# Altium PCB FMC_SDR_XFE.PcbDoc (part 4 of 4)
Units mm, origin at the board's own origin, x right, y up, seen from the top; angles counter-clockwise.
Board outline 84 x 69 mm, 8 copper layers (Top, Int1 [GND], Int2 [shielded signals], Int3 [GND], Int4 [PWR], Int5 [signals], Int6 [PWR], Bottom), stack 1.579 mm thick; 430 components, 195 nets, 1289 pads, 1371 vias.
Unrouted connection lines stored in the file: 1.
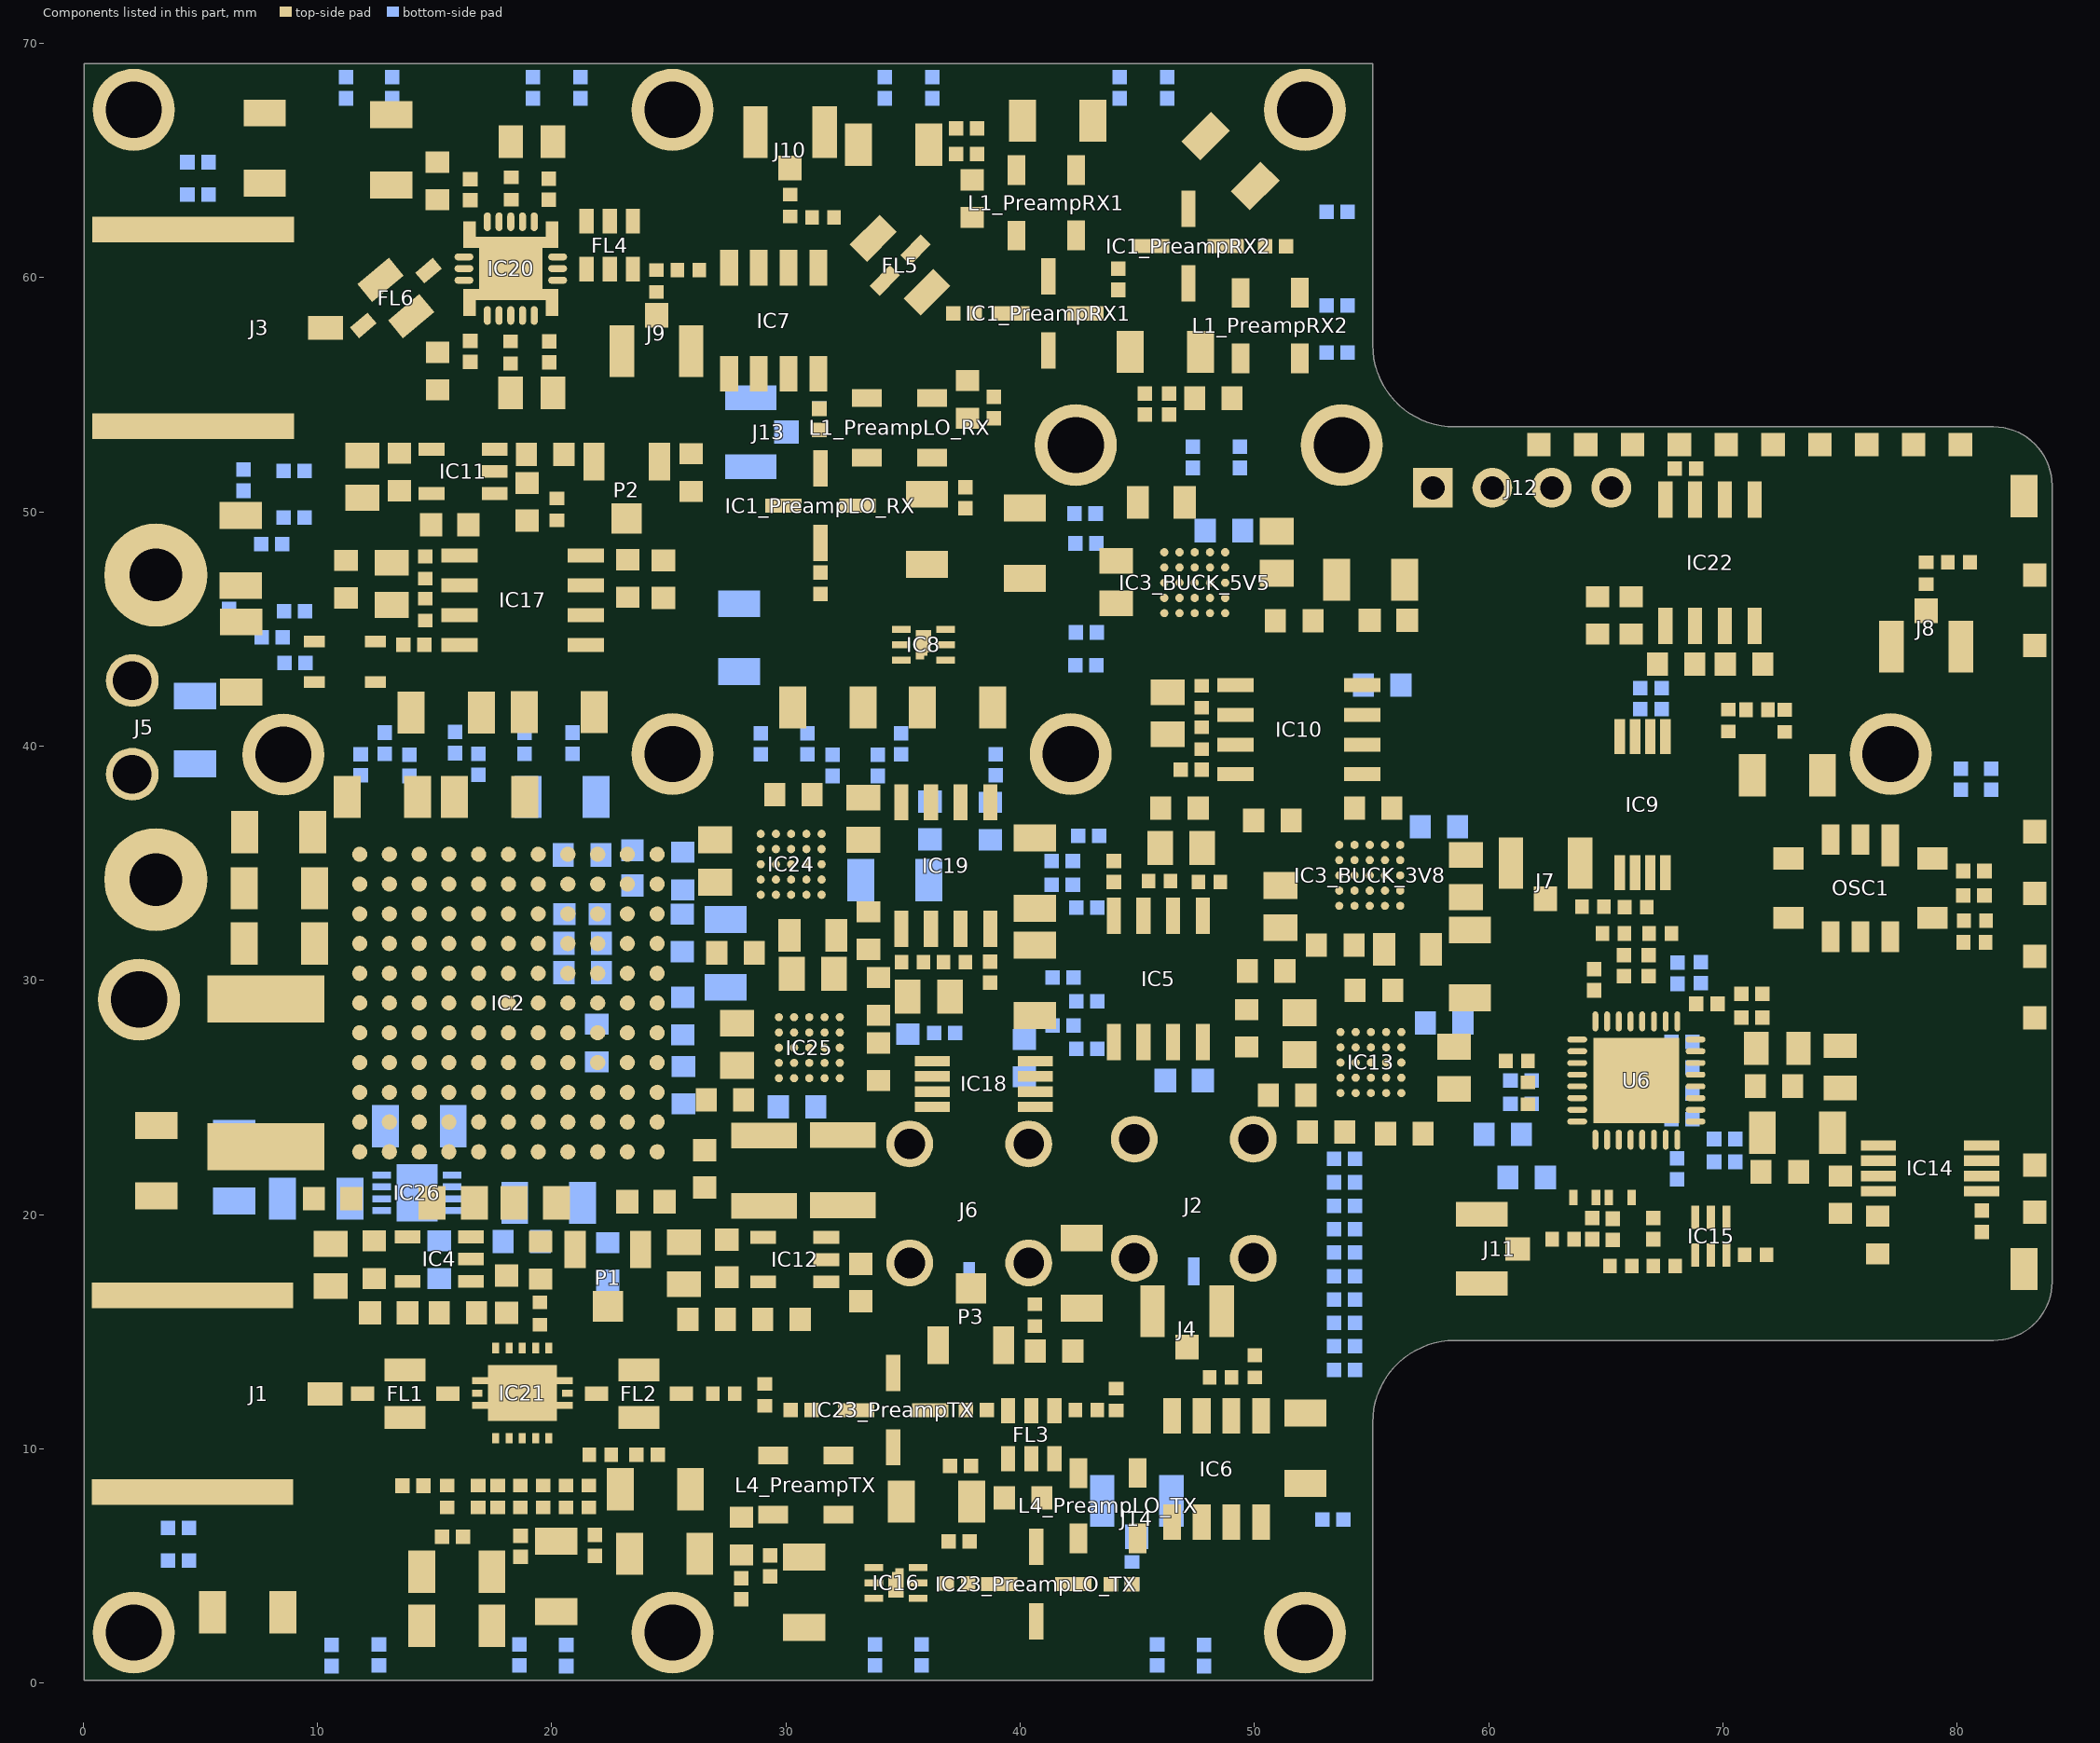
[diagram p10: the components of this part, seen from the top]

## Polygon pours and split planes (outlines as drawn) (continued)
SH on Int2 [shielded signals] "SH_L03_P1779" (solid, pour order 1779): 7.224,42.324 44.557,42.324 44.557,27.682 45.088,27.682 45.088,24.072 40.35,24.072 40.35,36.354 36.225,36.354 36.225,37.676 7.8,37.676
GND on Int2 [shielded signals] "GND_L03_P1796" (hatched 45Degree grid 0.55 track 0.35, pour order 1796): 0.05,67.2 0.05,0.125 55.05,0.125 55.05,11.1 cw(c58.562,11.113) 58.549,14.625 81.684,14.625 ccw(c81.566,17.109) 84.05,17.227 84.05,51.004 ccw(c81.556,51.133) 81.684,53.626 58.597,53.625 cw(c58.559,57.133) 55.051,57.095 55.05,69.125 0.05,69.125
PA_GND on Int2 [shielded signals] "PA_GND_L03_P1795" (hatched 90Degree grid 0.55 track 0.35, pour order 1795): 0.052,51.772 7.895,51.77 cw(c7.895,50.995) 8.67,50.995 8.67,40.293 ccw(c9.35,40.293) 9.35,39.613 41.631,39.613 cw(c41.631,38.894) 42.35,38.894 42.35,26.657 ccw(c43.932,26.657) 43.932,25.075 51.108,25.075 cw(c51.108,22.535) 53.648,22.535 53.648,0.094 0.052,0.094
SH on Int2 [shielded signals] "SH_L03_P1771" (solid, pour order 1771): 11.293,38.125 11.293,15.395 15.925,15.395 15.925,38.125
SH on Int2 [shielded signals] "SH_L03_P1778" (solid, pour order 1778): 73.05,39.725 73.05,35.78 83.8,35.78 83.8,42.3 75.579,42.3 73.075,39.796
SH on Int2 [shielded signals] "SH_L03_P1772" (solid, pour order 1772): 19.375,38.725 19.375,17.463 24.229,17.463 24.229,38.603
SH on Int2 [shielded signals] "SH_L03_P1794" (solid, pour order 1794): 0.079,51.8 8.833,51.8 8.833,17.825 0.079,17.825
SH on Int2 [shielded signals] "SH_L03_P1774" (solid, pour order 1774): 7.287,26.65 23.815,26.65 23.815,23.456 7.287,23.456
SH on Int2 [shielded signals] "SH_L03_P1792" (solid, pour order 1792): 0.1,69.125 0.1,63.275 55.077,63.275 55.077,69.126 0.05,69.126
SH on Int2 [shielded signals] "SH_L03_P1776" (solid, pour order 1776): 40.35,24.072 40.35,17.775 45.103,17.775 45.103,25.627 40.414,25.627 40.414,24.1
SH on Int2 [shielded signals] "SH_L03_P1773" (solid, pour order 1773): 7.89,33.9 7.89,30.279 23.866,30.279 23.866,33.9 7.95,33.9
no net on Bottom "balancingB" (solid, pour order 1941): 0.05,67.2 0.05,6.8 55.05,6.8 55.05,11.1 cw(c58.562,11.113) 58.549,14.625 81.684,14.625 ccw(c81.566,17.109) 84.05,17.227 84.05,51.004 ccw(c81.556,51.133) 81.684,53.626 58.597,53.625 cw(c58.559,57.133) 55.051,57.095 55.05,69.125 0.05,69.125
PA_GND on Bottom "PA_GND_L08_P1799" (solid, pour order 1799): 27.998,37.6 27.998,39.16 39.639,39.16 39.639,37.6
GND on Bottom "GND_L08_P1798" (solid, pour order 1798): 28.029,40.127 28.029,41.687 39.67,41.687 39.67,40.127
PA_GND on Bottom "PA_GND_L08_P1805" (solid, pour order 1805): 6.025,51.306 8.142,51.306 8.142,42.325 6.025,42.325
NetC50_2 on Bottom "Bottom-NetC50_2" (solid, pour order 1875): 15.35,20.525 17.25,20.525 17.475,20.75 17.475,21.575 16.925,22.125 16.575,22.125 16.375,22.325 16.375,23.002 15.35,23.002
no net on Bottom "Bottom-No Net" (solid, pour order 1873): 15.375,20.525
NetC48_2 on Bottom "Bottom-NetC48_2" (solid, pour order 1871): 13.15,20.025 12.272,20.025 12.023,19.777 10.825,19.777 10.825,21.584 11.909,21.584 12.325,22 12.325,22.925 13.15,22.925
GND on Bottom "GND_L08_P1791" (solid, pour order 1791): 5.63,68.174 5.63,65.024 22.825,65.024 22.825,68.174
PA_GND on Bottom "PA_GND_L08_P1789" (solid, pour order 1789): 28.125,1.025 28.125,4.241 49.8,4.241 49.8,1.025
GND on Bottom "GND_L08_P1790" (solid, pour order 1790): 28.275,64.999 28.275,68.215 49.775,68.215 49.775,64.999
SH on Bottom "SH_L08_P1784" (solid, pour order 1784): 0.079,52.125 0.079,51.3 8.15,51.3 8.15,39.175 41.948,39.175 41.948,20.2 42.8,20.2 42.8,21.05 42.8,40.1 9.075,40.1 9.075,52.2 0.079,52.2 0.079,51.85
GND on Bottom "GND_L08_P1803" (solid, pour order 1803): 44.359,42.275 42.799,42.275 42.799,50.172 44.359,50.172
no net on Bottom "NONET_L08_P1808" (solid, pour order 1808): 51.075,54.872 51.075,53.312 45.15,53.312 45.15,54.872
GND on Bottom "GND_L08_P1807" (solid, pour order 1807): 51.048,52.313 51.048,50.753 45.1,50.753 45.1,52.313
SH on Bottom "SH_L08_P1785" (solid, pour order 1785): 42.8,41.5 42.8,52.375 53.075,52.375 53.075,53.3 41.9,53.3 41.9,39.402 41.825,39.402
GND on Bottom "GND_L08_P1806" (solid, pour order 1806): 9.077,52.198 10.7,52.198 10.7,42.325 9.077,42.325
GND on Bottom "GND_L08_P1801" (solid, pour order 1801): 44.369,25.105 42.809,25.105 42.809,36.686 44.369,36.686
PA_GND on Bottom "PA_GND_L08_P1800" (solid, pour order 1800): 11.094,37.543 11.094,39.167 17.825,39.167 17.825,37.543
SH on Bottom "SH_L08_P1786" (solid, pour order 1786): 0.254,63.225 4.825,63.225 4.825,68.225 52.375,68.225 52.375,69.125 0.254,69.125
SH on Bottom "SH_L08_P1782" (solid, pour order 1782): 0.254,7.1 4.05,7.1 4.05,1.025 53.15,1.025 53.15,0.125 0.254,0.125
GND on Bottom "GND_L08_P1809" (solid, pour order 1809): 52.42,4.925 55.072,4.925 55.072,10.915 cw(c58.436,10.915) 58.436,14.28 81.532,14.28 ccw(c81.532,16.82) 84.072,16.82 84.072,51.39 ccw(c81.532,51.39) 81.532,53.93 58.458,53.93 cw(c58.457,57.315) 55.072,57.315 55.072,64.125 52.388,64.125 52.388,52.264 80.463,52.264 cw(c80.463,50.38) 82.347,50.38 82.347,17.905 cw(c80.622,17.905) 80.622,16.18 55.594,16.18 ccw(c55.592,13.721) 55.485,16.177 52.412,16.177
PA_GND on Bottom "PA_GND_L08_P1802" (solid, pour order 1802): 41.938,25.105 40.377,25.105 40.377,36.71 41.938,36.71
PA_GND on Bottom "PA_GND_L08_P1781" (solid, pour order 1781): 53.725,10.775 50.725,10.775 50.725,23.8 53.725,23.8
GND on Bottom "GND_L08_P1780" (solid, pour order 1780): 54.005,13.3 54.005,23.75 58.075,23.75 58.075,15.025 56.925,15.025 55.2,13.3
no net on Bottom "NONET_L08_P1810" (solid, pour order 1810): 1.255,26.6 2.878,26.6 2.878,17.894 1.255,17.894
GND on Bottom "GND_L08_P1804" (solid, pour order 1804): 41.901,42.225 40.34,42.225 40.34,50.175 41.901,50.175
GND on Bottom "GND_L08_P1797" (solid, pour order 1797): 11.129,40.077 11.129,41.7 22.77,41.7 22.77,40.077
PA_GND on Bottom "PA_GND_L08_P1788" (solid, pour order 1788): 4.975,4.2 4.975,1.05 23.1,1.05 23.1,4.2
PA_GND on Bottom "PA_GND_L08_P1787" (solid, pour order 1787): 4.225,7.05 6.05,7.05 6.05,4.95 4.225,4.95
SH on Bottom "SH_L08_P1783" (solid, pour order 1783): 0.375,17.925 1.25,17.925 1.25,28 3.025,28 3.025,28.975 0.375,28.975
GND on Int3 [GND] "GND_L04_P1756" (hatched 45Degree grid 0.6 track 0.4, pour order 1756): 0.05,66.825 0.025,0.1 55.05,0.125 55.05,11.125 cw(c58.572,11.096) 58.602,14.619 81.549,14.625 ccw(c81.549,17.125) 84.049,17.125 84.05,51.125 ccw(c81.547,51.125) 81.547,53.628 58.375,53.625 cw(c58.552,57.127) 55.05,57.305 55.05,69.126 0.05,69.126 0.05,67.15
GND on Int3 [GND] "GND_L04_P1748" (solid, pour order 1748): 70.933,21.231 52.795,21.481 52.795,14.658 79.278,14.628 81.8,17.15 81.8,24.76 83.613,26.573 83.613,32.093 80.393,32.093 77.1,28.8 77.1,21.146
PA_GND on Int3 [GND] "PA_GND_L04_P1754" (hatched 90Degree grid 0.6 track 0.4, pour order 1754): 0.05,51.75 7.895,51.75 cw(c7.895,50.975) 8.67,50.975 8.67,40.272 ccw(c9.35,40.272) 9.35,39.592 39.65,39.592 39.65,25.055 51.108,25.055 cw(c51.108,22.515) 53.648,22.515 53.648,0.125 0.05,0.125
GND on Int3 [GND] "GND_L04_P1752" (solid, pour order 1752): 48.5,45.425 81.075,45.425 81.075,49.375 72.675,49.375 72.575,49.475 58.665,49.475 cw(c58.665,52.015) 56.869,50.219 54.744,52.344 cw(c56.54,54.14) 54,54.14 54,64.225 48.5,64.225
GND on Int3 [GND] "GND_L04_P1755" (solid, pour order 1755): 73.7,18.583 73.7,45.5 34.748,45.5 34.748,39.963 65.578,39.963 cw(c65.578,37.423) 68.118,37.423 68.118,17.15 73.475,17.15 ccw(c73.475,17.275) 73.6,17.275 73.7,17.275
PA_GND on Int3 [GND] "PA_GND_L04_P1753" (solid, pour order 1753): 53.75,21.526 40.676,21.526 30.225,11.075 30.225,2.825 35.786,2.825 37.4,4.439 37.4,8.8 53.75,8.8
GND on Int3 [GND] "GND_L04_P1750" (solid, pour order 1750): 59.263,40.355 59.263,35.415 ccw(c61.803,35.415) 61.803,32.875 69.186,32.875 69.186,37.815 ccw(c66.646,37.815) 66.646,40.355
EXTERNAL_PS on Int3 [GND] "EXTERNAL_PS_L04_P1749" (solid, pour order 1749): 5.575,34.776 8,34.776 8,40.7 0.421,40.7 0.421,36.75 4.6,36.75 5.575,35.775
EXTERNAL_PS on Int3 [GND] "EXTERNAL_PS_L04_P1751" (solid, pour order 1751): 5.575,34.776 8,34.776 8,40.7 0.421,40.7 0.421,36.75 4.6,36.75 5.575,35.775
FE_5V0_Preamp on Int4 [PWR] "FE_5V0_PREAMP_L05_P1825" (hatched 90Degree grid 0.65 track 0.45, pour order 1825): 34.125,49.35 44.505,49.35 49.3,54.145 49.3,59.2 41,67.5 37.269,67.5 34.125,64.356
FMC_12V_IN on Int4 [PWR] "FMC_12V_IN_L05_P1818" (hatched 90Degree grid 0.65 track 0.45, pour order 1818): 20.621,28.732 28.2,28.732 37.516,38.049 71.992,38.049 84.063,50.119 84.063,51.437 83.4,52.1 56.525,52.1 50.164,45.739 26.067,45.739 20.621,40.292
GND on Int4 [PWR] "GND_L05_P1881" (hatched 45Degree grid 0.6 track 0.4, pour order 1881): 0.05,69.125 0.025,0.05 55.05,0.125 55.05,11.067 cw(c58.539,11.132) 58.474,14.622 81.549,14.625 ccw(c81.549,17.125) 84.049,17.125 84.05,51.125 ccw(c81.575,51.153) 81.603,53.627 58.429,53.627 cw(c58.583,57.16) 55.05,57.314 55.05,69.126
NetC39_BUCK_5V5_2 on Int4 [PWR] "Int5 [PWR]-NetC39_BUCK_5V5_2 1" (hatched 90Degree grid 0.65 track 0.45, pour order 1866): 28.384,49.168 50.295,49.168 51.663,47.8 51.663,46.933 50.5,45.77 50.468,45.802 29.4,45.802 28.384,46.818
NetC50_2 on Int4 [PWR] "Int4 [PWR]-NetC50_2" (solid, pour order 1793): 16.376,22.027 17.802,22.027 18.83,20.999 18.83,18.927 18.217,18.314 17.718,18.314 17.394,18.639 17.394,19.278 16.947,19.725 16.039,20.632 16.039,21.691
NetC12_2 on Int4 [PWR] "NETC12_2_L05_P1816" (hatched 90Degree grid 0.65 track 0.45, pour order 1816): 4.7,20.5 34.718,20.5 34.718,26.3 4.7,26.3
SH on Int4 [PWR] "SH_L05_P1812" (solid, pour order 1812): 0.025,0.1 55.05,0.1 55.05,9.925 47.825,9.925 47.825,4.875 42.15,4.875 42.15,3.365 26.812,3.365 26.812,16.112 0.05,16.112
PA_5V on Int4 [PWR] "PA_5V_L05_P1821" (hatched 90Degree grid 0.65 track 0.45, pour order 1821): 27.2,3.8 41.8,3.8 41.8,28.625 34.534,28.625 34.534,19.733 27.2,12.398
FE_5V0 on Int4 [PWR] "FE_5V0_L05_P1815" (hatched 90Degree grid 0.65 track 0.45, pour order 1815): 59.308,22.25 56.503,25.055 56.503,27.942 54.063,30.382 49.048,30.382 46.856,32.575 46.856,37.973 47.183,38.3 48.602,38.3 52.602,34.3 55.975,34.3 60.416,29.859 60.416,22.391 60.275,22.25
NetC39_BUCK_5V5_2 on Int4 [PWR] "Int5 [PWR]-NetC39_BUCK_5V5_2" (hatched 90Degree grid 0.65 track 0.45, pour order 1814): 2.1,46.3 2.1,42.8 5.22,39.68 19.78,39.68 24.2,44.1 28.786,44.1 30.027,45.34 30.027,47.526 28.384,49.168 4.968,49.168
NetC12_2 on Int4 [PWR] "Int5 [PWR]-NetC12_2" (hatched 90Degree grid 0.65 track 0.45, pour order 1813): 26.175,25.448 20.65,25.448 20.65,31.85 26.175,31.85
FE_5V_PLL on Int4 [PWR] "FE_5V_PLL_L05_P1835" (hatched 90Degree grid 0.65 track 0.45, pour order 1835): 61.134,22.766 61.4,22.5 69.713,22.5 70.013,22.8 70.013,23.671 69.011,24.673 61.4,24.673 61.134,24.408
FE_3V8 on Int5 [signals] "FE_3V8_L06_P1831" (hatched 90Degree grid 0.55 track 0.35, pour order 1831): 60.649,28.5 60.649,35.489 58.675,37.463 58.675,42.92 59.1,43.345 59.1,46.039 59.528,46.468 59.528,49.162 55.84,52.85 26.477,52.85 21,47.373 21,45.475 21.8,44.675 24.8,44.675 27.645,47.52 41.32,47.52 42.4,48.6 52.2,48.6 55.574,45.226 55.574,30.278 57.6,28.251 60.4,28.251
FE_5V5 on Int5 [signals] "Int4 [signals]-FE_5V5" (hatched 90Degree grid 0.55 track 0.35, pour order 1829): 46.85,24.672 46.9,24.622 50.118,24.622 50.595,25.099 51.2,24.494 51.2,23.808 52.108,22.9 53.978,22.9 55.481,24.404 55.481,45.287 52.169,48.6 42.843,48.6 42.843,42.4 50.1,35.143 50.1,29.7 47.968,29.7 46.85,28.582
GND on Int5 [signals] "GND_L06_P1863" (hatched 45Degree grid 0.55 track 0.35, pour order 1863): 0.05,69.125 0.05,0.125 55.05,0.125 55.05,11.066 cw(c58.579,11.096) 58.618,14.625 81.62,14.625 ccw(c81.58,17.094) 84.049,17.099 84.025,50.967 ccw(c81.568,51.166) 81.766,53.623 58.525,53.623 cw(c58.603,57.176) 55.05,57.255 55.05,69.125
PA_GND on Int5 [signals] "PA_GND_L06_P1746" (hatched 45Degree grid 0.55 track 0.35, pour order 1746): 0.05,51.746 7.895,51.75 cw(c7.895,50.975) 8.67,50.975 8.67,40.272 ccw(c9.35,40.272) 9.35,39.592 42.35,39.592 42.35,25.055 51.108,25.055 cw(c51.108,22.515) 53.648,22.515 53.648,0.125 0.05,0.125
no net on Bottom Solder (solid): 55.05,0.125 55.05,11.125 cw(c58.549,11.125) 58.55,14.625 81.55,14.625 ccw(c81.55,17.125) 84.05,17.125 84.05,51.125 ccw(c81.55,51.125) 81.55,53.625 58.55,53.625 cw(c58.55,57.125) 55.05,57.125 55.05,69.125 52,69.125 52,51.85 80.375,51.85 cw(c80.375,50.225) 82,50.225 82,18.8 cw(c79.8,18.8) 79.8,16.6 52.025,16.6 52.025,0.125
no net on Bottom Solder "NONET_L08_P1937" (solid, pour order 1937): 3.675,7.5 6.45,7.5 6.45,0.775 3.675,0.775
no net on Bottom Solder "NONET_L08_P1897" (solid, pour order 1897): 0.079,52.125 0.079,50.9 8.15,50.9 8.15,39.175 41.55,39.175 41.55,19.825 43.175,19.825 43.175,40.1 9.075,40.1 9.075,52.6 0.079,52.6 0.079,51.85
no net on Bottom Solder "NONET_L08_P1913" (solid, pour order 1913): 0.05,62.725 6.15,62.725 6.15,68.225 52.375,68.225 52.375,69.125 0.05,69.125
no net on Bottom Solder "NONET_L08_P1905" (solid, pour order 1905): 42.8,41.5 42.8,51.975 53.075,51.975 53.075,53.775 41.9,53.775 41.9,39.402 41.825,39.402
no net on Bottom Solder "NONET_L08_P1895" (solid, pour order 1895): 21.875,64.625 21.875,68.527 55.05,68.527 55.05,64.625
no net on Bottom Solder "NONET_L08_P1891" (solid, pour order 1891): 5.63,68.45 5.63,64.625 22.825,64.625 22.825,68.45
no net on Bottom Solder "NONET_L08_P1903" (solid, pour order 1903): 53.675,52.553 53.675,50.375 42.35,50.375 42.35,52.553
no net on Bottom Solder "NONET_L08_P1933" (solid, pour order 1933): 11.129,40.077 11.129,41.7 22.77,41.7 22.77,40.077
no net on Bottom Solder "NONET_L08_P1911" (solid, pour order 1911): 11.094,37.543 11.094,39.55 17.825,39.55 17.825,37.543
no net on Bottom Solder "NONET_L08_P1935" (solid, pour order 1935): 4.975,4.6 4.975,0.875 53.804,0.875 53.804,4.6
no net on Bottom Solder "NONET_L08_P1915" (solid, pour order 1915): 0.05,7.5 4.05,7.5 4.05,1.025 53.15,1.025 53.15,0.125 0.05,0.125
no net on Bottom Solder "NONET_L08_P1893" (solid, pour order 1893): 28.125,1.025 28.125,4.241 55.05,4.241 55.05,1.025
no net on Bottom Solder "NONET_L08_P1901" (solid, pour order 1901): 53.525,55.275 53.525,53.2 42.35,53.2 42.35,55.275
no net on Bottom Solder "NONET_L08_P1921" (solid, pour order 1921): 42.175,25.105 40,25.105 40,36.71 42.175,36.71
no net on Bottom Solder "NONET_L08_P1939" (solid, pour order 1939): 0.05,17.5 3.275,17.5 3.275,28.975 0.05,28.975
no net on Bottom Solder "NONET_L08_P1925" (solid, pour order 1925): 53.648,13.3 53.648,24.275 58.525,24.275 58.525,15.025 56.925,15.025 55.2,13.3
no net on Bottom Solder "NONET_L08_P1929" (solid, pour order 1929): 42.275,36.125 39.95,36.125 39.95,52.825 42.275,52.825
no net on Bottom Solder "NONET_L08_P1931" (solid, pour order 1931): 8.65,39.925 8.65,42.075 39.67,42.075 39.67,39.925
no net on Bottom Solder "NONET_L08_P1919" (solid, pour order 1919): 6.075,37.225 6.075,39.475 39.639,39.475 39.639,37.225
no net on Bottom Solder "NONET_L08_P1923" (solid, pour order 1923): 53.725,10.375 49.875,10.375 49.875,24.275 53.725,24.275
no net on Bottom Solder "NONET_L08_P1907" (solid, pour order 1907): 9.077,52.6 11.2,52.6 11.2,38.875 9.077,38.875
no net on Bottom Solder "NONET_L08_P1885" (solid, pour order 1885): 5.325,51.306 8.425,51.306 8.425,37.225 5.325,37.225
no net on Bottom Solder "NONET_L08_P1927" (solid, pour order 1927): 1.255,27.725 2.878,27.725 2.878,17.894 1.255,17.894
no net on Bottom Solder "NONET_L08_P1909" (solid, pour order 1909): 44.775,25.105 42.35,25.105 42.35,36.686 44.775,36.686
no net on Bottom Solder "NONET_L08_P1899" (solid, pour order 1899): 44.75,36.1 42.799,36.1 42.799,51.375 44.75,51.375
no net on Top Solder (solid): 49.7,68.2 50.975,66.925 51.425,66.925 52.525,65.825 52.525,65.425 53.125,64.825 53.375,64.825 53.8,65.25 53.8,67.15 52.4,68.55 50.025,68.55 49.7,68.225
no net on Top Solder (solid): 10.55,58.55
no net on Top Solder (solid): 49.175,67.625 49.175,68.725 5.725,68.725 5.725,67.625
no net on Top Solder (solid): 22.725,0.5 27.8,0.5 28,0.7 28,0.85 26.675,2.175 23.6,2.175 22.725,1.3
no net on Top Solder (solid): 49.825,1.3 49.825,0.625 50.075,0.375 52.55,0.375 53.5,1.325 53.5,4.2 52.75,4.2 51.775,3.225 51.45,3.225 51.45,2.925
no net on Top Solder (solid): 22.675,68.175 23.525,67.325 26.95,67.325 27.65,68.025 27.225,68.45 22.875,68.45 22.675,68.25
no net on Top Solder (solid): 22.875,68.175
no net on Top Solder (solid): 54.175,69.125 54.175,53.625 58.55,53.625 cw(c58.55,57.125) 55.05,57.125 55.05,69.125
no net on Top Solder (solid): 54.35,0.125 55.475,0.125 55.475,11.675 54.35,11.675

## Keep-outs
Keep-Out Layer:
  drawing of 4940 lines, arcs and shapes, not listed

## Other copper
Top:
  region net SH: 0.375,29.225 0.375,17.9 1.275,17.9 1.275,29.225
  rectangle net SH: 77.263,38.725 83.725,40.75
  rectangle net SH: 0.325,51.3 8.648,52.2
  rectangle net SH: 41.9,52.388 54.073,53.288
  region net SH: 9.062,39.375 9.062,52.2 8.162,52.2 8.162,39.375
  region net SH: 54.073,21.05 41.9,21.05 41.9,20.15 54.073,20.15
  region net SH: 42.8,20.5 42.8,53.1 41.9,53.1 41.9,20.5
  rectangle net SH: 0.241,63.075 4.825,69.1
  rectangle net SH: 0.075,0.14 4.075,7.125
  rectangle net SH: 9.65,39.188 41.9,40.088
  region net SH: 53.433,21.051 53.433,2.607 cw(c51.806,2.606) 52.956,1.456 cw(c51.975,2.437) 51.975,1.05 11.085,1.05 11.086,0.15 52.888,0.15 ccw(c52.888,1.576) 53.896,0.567 ccw(c52.854,1.61) 54.328,1.61 54.328,21.05
  region net SH: 4.424,68.202 51.955,68.202 cw(c51.955,66.576) 53.105,67.726 cw(c52.124,66.745) 53.511,66.745 53.511,52.352 54.411,52.353 54.411,67.658 ccw(c52.986,67.658) 53.994,68.666 ccw(c52.951,67.624) 52.951,69.098 4.426,69.098
  region net SH: 11.074,1.045 2.624,1.045 cw(c2.624,2.672) 1.474,1.522 cw(c2.455,2.503) 1.067,2.503 1.067,6.996 0.167,6.995 0.167,1.59 ccw(c1.593,1.59) 0.585,0.582 ccw(c1.627,1.624) 1.627,0.15 11.073,0.15
  text "1" at 6.525,5.5 h0.8
Int2 [shielded signals]:
  pour cut-out: 5.75,6.9 14.045,6.9 14.045,5.05 5.75,5.05
  pour cut-out: 5.184,6.95
  text "3" at 8.2,5.525 h0.8
Int5 [signals]:
  pour cut-out: 5.8,6.9 5.8,5.05 14.012,5.05 14.012,6.9
  text "6" at 10.975,5.525 h0.8
Int1 [GND]:
  pour cut-out: 5.8,6.906 14.125,6.906 14.125,5.042 5.8,5.042
  text "2" at 7.225,5.525 h0.8
Int6 [PWR]:
  pour cut-out: 5.775,6.9 14.025,6.9 14.025,5.025 5.775,5.025
  text "7" at 11.875,5.5 h0.8
Int3 [GND]:
  pour cut-out: 5.825,6.9 14.075,6.9 14.075,5.046 5.825,5.046
  text "4" at 9.175,5.5 h0.8
Int4 [PWR]:
  pour cut-out: 14,6.9 14,5.088 5.8,5.088 5.8,6.9
  text "5" at 10.1,5.55 h0.8
Bottom:
  pour cut-out: 54,16.425 54,11.55 53.825,11.55 53.825,16.425
  pour cut-out: 54.025,16.35
  text "XFE V1" at 61.225,40.3 h0.8
  text "SHA/GKA" at 61.575,39.04 h0.8
  text "ISE 2019" at 63.232,37.65 h0.8
  text "8" at 12.775,5.5 h0.8

## Silkscreen, mask and mechanical layers (free items; w line width, h text height)
Top Solder:
  drawing of 147 lines, arcs and shapes, not listed
Bottom Solder:
  drawing of 88 lines, arcs and shapes, not listed
Mechanical 1:
  drawing of 682 lines, arcs and shapes, not listed
  text "Layer" at 148.44,152.409 h1.52
  text "Name" at 158.851,152.409 h1.52
  text "Material" at 194.655,152.409 h1.52
  text "Thickness" at 208.875,152.409 h1.52
  text "Constant" at 225.381,152.409 h1.52
  text "Board Layer Stack" at 239.856,152.409 h1.52
  text "1" at 148.44,149.361 h1.52
  text "Top Solder" at 158.851,149.361 h1.52
  text "SM-001" at 194.655,149.361 h1.52
  text "1,00mil" at 208.875,149.361 h1.52
  text "4" at 225.381,149.361 h1.52
  text "2" at 148.44,146.313 h1.52
  text "Top" at 158.851,146.313 h1.52
  text "Copper" at 194.655,146.313 h1.52
  text "1,38mil" at 208.875,146.313 h1.52
  text "3" at 148.44,143.265 h1.52
  text "Dielectric 1" at 158.851,143.265 h1.52
  text "FR408HR" at 194.655,143.265 h1.52
  text "5,29mil" at 208.875,143.265 h1.52
  text "3,32" at 225.381,143.265 h1.52
  text "4" at 148.44,140.217 h1.52
  text "Int1 [GND]" at 158.851,140.217 h1.52
  text "Copper" at 194.655,140.217 h1.52
  text "1,38mil" at 208.875,140.217 h1.52
  text "5" at 148.44,137.169 h1.52
  text "Dielectric 2" at 158.851,137.169 h1.52
  text "FR408HR" at 194.655,137.169 h1.52
  text "10,00mil" at 208.875,137.169 h1.52
  text "3,68" at 225.381,137.169 h1.52
  text "6" at 148.44,134.121 h1.52
  text "Int2 [shielded signals]" at 158.851,134.121 h1.52
  text "Copper" at 194.655,134.121 h1.52
  text "1,38mil" at 208.875,134.121 h1.52
  text "7" at 148.44,131.073 h1.52
  text "Dielectric 3" at 158.851,131.073 h1.52
  text "FR408HR" at 194.655,131.073 h1.52
  text "5,28mil" at 208.875,131.073 h1.52
  text "3,32" at 225.381,131.073 h1.52
  text "8" at 148.44,128.025 h1.52
  text "Int3 [GND]" at 158.851,128.025 h1.52
  text "Copper" at 194.655,128.025 h1.52
  text "1,38mil" at 208.875,128.025 h1.52
  text "9" at 148.44,124.977 h1.52
  text "Dielectric 4" at 158.851,124.977 h1.52
  text "FR408" at 194.655,124.977 h1.52
  text "10,00mil" at 208.875,124.977 h1.52
  text "3,68" at 225.381,124.977 h1.52
  text "10" at 148.44,121.929 h1.52
  text "Int4 [PWR]" at 158.851,121.929 h1.52
  text "Copper" at 194.655,121.929 h1.52
  text "1,38mil" at 208.875,121.929 h1.52
  text "11" at 148.44,118.881 h1.52
  text "Dielectric 6" at 158.851,118.881 h1.52
  text "FR408HR" at 194.655,118.881 h1.52
  text "5,28mil" at 208.875,118.881 h1.52
  text "3,32" at 225.381,118.881 h1.52
  text "12" at 148.44,115.833 h1.52
  text "Int5 [signals]" at 158.851,115.833 h1.52
  text "Copper" at 194.655,115.833 h1.52
  text "1,38mil" at 208.875,115.833 h1.52
  text "13" at 148.44,112.785 h1.52
  text "Dielectric 7" at 158.851,112.785 h1.52
  text "FR408HR" at 194.655,112.785 h1.52
  text "10,00mil" at 208.875,112.785 h1.52
  text "3,68" at 225.381,112.785 h1.52
  text "14" at 148.44,109.737 h1.52
  text "Int6 [PWR]" at 158.851,109.737 h1.52
  text "Copper" at 194.655,109.737 h1.52
  text "1,38mil" at 208.875,109.737 h1.52
  text "15" at 148.44,106.689 h1.52
  text "Dielectric 8" at 158.851,106.689 h1.52
  text "FR408HR" at 194.655,106.689 h1.52
  text "5,29mil" at 208.875,106.689 h1.52
  text "3,32" at 225.381,106.689 h1.52
  text "16" at 148.44,103.641 h1.52
  text "Bottom" at 158.851,103.641 h1.52
  text "Copper" at 194.655,103.641 h1.52
  text "1,38mil" at 208.875,103.641 h1.52
  text "17" at 148.44,100.593 h1.52
  text "Bottom Solder" at 158.851,100.593 h1.52
  text "SM-001" at 194.655,100.593 h1.52
  text "1,00mil" at 208.875,100.593 h1.52
  text "4" at 225.381,100.593 h1.52
  text "R" at 51.794,100.256 h2.8
  text "e" at 53.075,100.256 h2.8
  text "q" at 54.357,100.256 h2.8
  text "u" at 55.638,100.256 h2.8
  text "i" at 56.92,100.256 h2.8
  text "r" at 57.56,100.256 h2.8
  text "e" at 58.361,100.256 h2.8
  text "d" at 59.643,100.256 h2.8
  text "T" at 61.405,100.256 h2.8
  text "e" at 62.526,100.256 h2.8
  text "c" at 63.808,100.256 h2.8
  text "h" at 64.769,100.256 h2.8
  text "n" at 66.05,100.256 h2.8
  text "o" at 67.332,100.256 h2.8
  text "l" at 68.613,100.256 h2.8
  text "o" at 69.254,100.256 h2.8
  text "g" at 70.535,100.256 h2.8
  text "y" at 71.657,100.256 h2.8
  text ":" at 72.778,100.256 h2.8
  text "C" at 15.422,97.052 h2.8
  text "A" at 16.703,97.052 h2.8
  text "P" at 18.145,97.052 h2.8
  text "P" at 19.427,97.052 h2.8
  text "E" at 20.708,97.052 h2.8
  text "D" at 21.829,97.052 h2.8
  text "V" at 23.752,97.052 h2.8
  text "I" at 25.193,97.052 h2.8
  text "A" at 25.834,97.052 h2.8
  text "S" at 27.276,97.052 h2.8
  text "A" at 52.759,97.052 h2.8
  text "l" at 54.201,97.052 h2.8
  text "l" at 54.842,97.052 h2.8
  text "s" at 55.963,97.052 h2.8
  text "m" at 56.924,97.052 h2.8
  text "a" at 58.846,97.052 h2.8
  text "l" at 59.968,97.052 h2.8
  text "l" at 60.608,97.052 h2.8
  text "v" at 61.73,97.052 h2.8
  text "i" at 62.851,97.052 h2.8
  text "a" at 63.492,97.052 h2.8
  text "s" at 64.613,97.052 h2.8
  text "(" at 66.055,97.052 h2.8
  text "h" at 66.856,97.052 h2.8
  text "o" at 68.137,97.052 h2.8
  text "l" at 69.419,97.052 h2.8
  text "e" at 70.059,97.052 h2.8
  text "s" at 71.341,97.052 h2.8
  text "b" at 72.783,97.052 h2.8
  text "e" at 74.064,97.052 h2.8
  text "l" at 75.345,97.052 h2.8
  text "o" at 75.986,97.052 h2.8
  text "w" at 77.268,97.052 h2.8
  text "0" at 79.51,97.052 h2.8
  text "." at 80.632,97.052 h2.8
  text "9" at 81.272,97.052 h2.8
  text "m" at 82.394,97.052 h2.8
  text "m" at 84.316,97.052 h2.8
  text ")" at 86.238,97.052 h2.8
  text "s" at 87.52,97.052 h2.8
  text "h" at 88.481,97.052 h2.8
  text "a" at 89.762,97.052 h2.8
  text "l" at 90.883,97.052 h2.8
  text "l" at 91.524,97.052 h2.8
  text "b" at 92.645,97.052 h2.8
  text "e" at 93.927,97.052 h2.8
  text "c" at 95.689,97.052 h2.8
  text "a" at 96.65,97.052 h2.8
  text "p" at 97.771,97.052 h2.8
  text "p" at 99.053,97.052 h2.8
  text "e" at 100.334,97.052 h2.8
  text "d" at 101.616,97.052 h2.8
  text "." at 102.897,97.052 h2.8
  text "O" at 46.805,93.048 h2.8
  text "n" at 48.407,93.048 h2.8
  text "t" at 50.169,93.048 h2.8
  text "w" at 50.969,93.048 h2.8
  text "o" at 52.732,93.048 h2.8
  text "m" at 54.494,93.048 h2.8
  text "i" at 56.416,93.048 h2.8
  text "d" at 57.057,93.048 h2.8
  text "d" at 58.338,93.048 h2.8
  text "l" at 59.619,93.048 h2.8
  text "e" at 60.26,93.048 h2.8
  text "l" at 62.022,93.048 h2.8
  text "a" at 62.663,93.048 h2.8
  text "y" at 63.784,93.048 h2.8
  text "e" at 64.906,93.048 h2.8
  text "r" at 66.187,93.048 h2.8
  text "s" at 66.988,93.048 h2.8
  text "(" at 68.43,93.048 h2.8
  text "4" at 69.231,93.048 h2.8
  text "a" at 70.832,93.048 h2.8
  text "n" at 71.954,93.048 h2.8
  text "d" at 73.235,93.048 h2.8
  text "5" at 74.997,93.048 h2.8
  text ")" at 76.119,93.048 h2.8
  text "t" at 77.4,93.048 h2.8
  text "h" at 78.201,93.048 h2.8
  text "e" at 79.482,93.048 h2.8
  text "r" at 80.764,93.048 h2.8
  text "e" at 81.565,93.048 h2.8
  text "a" at 83.327,93.048 h2.8
  text "r" at 84.448,93.048 h2.8
  text "e" at 85.249,93.048 h2.8
  text "m" at 87.011,93.048 h2.8
  text "u" at 88.933,93.048 h2.8
  text "c" at 90.215,93.048 h2.8
  text "h" at 91.176,93.048 h2.8
  text "l" at 92.938,93.048 h2.8
  text "e" at 93.579,93.048 h2.8
  text "s" at 94.86,93.048 h2.8
  text "s" at 95.821,93.048 h2.8
  text "c" at 97.263,93.048 h2.8
  text "o" at 98.224,93.048 h2.8
  text "p" at 99.506,93.048 h2.8
  text "p" at 100.787,93.048 h2.8
  text "e" at 102.069,93.048 h2.8
  text "r" at 103.35,93.048 h2.8
  text "t" at 104.632,93.048 h2.8
  text "h" at 105.432,93.048 h2.8
  text "a" at 106.714,93.048 h2.8
  text "n" at 107.835,93.048 h2.8
  text "C" at 15.422,89.844 h2.8
  text "O" at 16.703,89.844 h2.8
  text "P" at 18.305,89.844 h2.8
  text "P" at 19.587,89.844 h2.8
  text "E" at 20.868,89.844 h2.8
  text "R" at 21.989,89.844 h2.8
  text "B" at 23.752,89.844 h2.8
  text "A" at 25.033,89.844 h2.8
  text "L" at 26.475,89.844 h2.8
  text "A" at 27.436,89.844 h2.8
  text "N" at 28.877,89.844 h2.8
  text "C" at 30.479,89.844 h2.8
  text "I" at 31.761,89.844 h2.8
  text "N" at 32.402,89.844 h2.8
  text "G" at 34.003,89.844 h2.8
  text "o" at 51.309,89.844 h2.8
  text "n" at 52.59,89.844 h2.8
  text "t" at 54.352,89.844 h2.8
  text "h" at 55.153,89.844 h2.8
  text "e" at 56.435,89.844 h2.8
  text "o" at 58.197,89.844 h2.8
  text "t" at 59.478,89.844 h2.8
  text "h" at 60.279,89.844 h2.8
  text "e" at 61.561,89.844 h2.8
  text "r" at 62.842,89.844 h2.8
  text "s" at 63.643,89.844 h2.8
  text "." at 64.604,89.844 h2.8
  text "M" at 65.725,89.844 h2.8
  text "a" at 67.648,89.844 h2.8
  text "n" at 68.769,89.844 h2.8
  text "u" at 70.05,89.844 h2.8
  text "f" at 71.332,89.844 h2.8
  text "a" at 72.133,89.844 h2.8
  text "c" at 73.254,89.844 h2.8
  text "t" at 74.215,89.844 h2.8
  text "u" at 75.016,89.844 h2.8
  text "r" at 76.298,89.844 h2.8
  text "i" at 77.098,89.844 h2.8
  text "n" at 77.739,89.844 h2.8
  text "g" at 79.021,89.844 h2.8
  text "p" at 80.623,89.844 h2.8
  text "r" at 81.904,89.844 h2.8
  text "o" at 82.705,89.844 h2.8
  text "c" at 83.986,89.844 h2.8
  text "e" at 84.948,89.844 h2.8
  text "s" at 86.229,89.844 h2.8
  text "s" at 87.19,89.844 h2.8
  text "s" at 88.632,89.844 h2.8
  text "h" at 89.593,89.844 h2.8
  text "a" at 90.874,89.844 h2.8
  text "l" at 91.996,89.844 h2.8
  text "l" at 92.636,89.844 h2.8
  text "a" at 93.758,89.844 h2.8
  text "l" at 94.879,89.844 h2.8
  text "l" at 95.52,89.844 h2.8
  text "o" at 96.161,89.844 h2.8
  text "w" at 97.442,89.844 h2.8
  text "f" at 99.685,89.844 h2.8
  text "o" at 100.486,89.844 h2.8
  text "r" at 101.767,89.844 h2.8
  text "i" at 103.048,89.844 h2.8
  text "t" at 103.689,89.844 h2.8
  text "." at 104.49,89.844 h2.8
  text "O" at 15.422,86.64 h2.8
  text "V" at 17.024,86.64 h2.8
  text "E" at 18.465,86.64 h2.8
  text "R" at 19.587,86.64 h2.8
  text "L" at 20.868,86.64 h2.8
  text "A" at 21.829,86.64 h2.8
  text "Y" at 23.271,86.64 h2.8
  text "N" at 66.117,86.64 h2.8
  text "o" at 67.719,86.64 h2.8
  text "o" at 69.481,86.64 h2.8
  text "v" at 70.763,86.64 h2.8
  text "e" at 71.884,86.64 h2.8
  text "r" at 73.165,86.64 h2.8
  text "l" at 73.966,86.64 h2.8
  text "a" at 74.607,86.64 h2.8
  text "y" at 75.728,86.64 h2.8
  text "s" at 77.33,86.64 h2.8
  text "h" at 78.291,86.64 h2.8
  text "a" at 79.573,86.64 h2.8
  text "l" at 80.694,86.64 h2.8
  text "l" at 81.335,86.64 h2.8
  text "b" at 82.456,86.64 h2.8
  text "e" at 83.738,86.64 h2.8
  text "u" at 85.5,86.64 h2.8
  text "s" at 86.781,86.64 h2.8
  text "e" at 87.742,86.64 h2.8
  text "d" at 89.024,86.64 h2.8
  text "B" at 15.422,83.437 h2.8
  text "O" at 16.703,83.437 h2.8
  text "A" at 18.305,83.437 h2.8
  text "R" at 19.747,83.437 h2.8
  text "D" at 21.028,83.437 h2.8
  text "E" at 22.951,83.437 h2.8
  text "D" at 24.072,83.437 h2.8
  text "G" at 25.514,83.437 h2.8
  text "E" at 26.955,83.437 h2.8
  text "C" at 49.541,83.437 h2.8
  text "o" at 50.822,83.437 h2.8
  text "p" at 52.104,83.437 h2.8
  text "p" at 53.385,83.437 h2.8
  text "e" at 54.667,83.437 h2.8
  text "r" at 55.948,83.437 h2.8
  text "s" at 57.23,83.437 h2.8
  text "h" at 58.191,83.437 h2.8
  text "a" at 59.472,83.437 h2.8
  text "l" at 60.593,83.437 h2.8
  text "l" at 61.234,83.437 h2.8
  text "t" at 62.355,83.437 h2.8
  text "o" at 63.156,83.437 h2.8
  text "u" at 64.438,83.437 h2.8
  text "c" at 65.719,83.437 h2.8
  text "h" at 66.68,83.437 h2.8
  text "o" at 68.442,83.437 h2.8
  text "r" at 69.724,83.437 h2.8
  text "b" at 71.005,83.437 h2.8
  text "e" at 72.287,83.437 h2.8
  text "p" at 74.049,83.437 h2.8
  text "o" at 75.33,83.437 h2.8
  text "s" at 76.612,83.437 h2.8
  text "s" at 77.573,83.437 h2.8
  text "i" at 78.534,83.437 h2.8
  text "b" at 79.175,83.437 h2.8
  text "l" at 80.456,83.437 h2.8
  text "y" at 81.097,83.437 h2.8
  text "c" at 82.699,83.437 h2.8
  text "l" at 83.66,83.437 h2.8
  text "o" at 84.301,83.437 h2.8
  text "s" at 85.582,83.437 h2.8
  text "e" at 86.543,83.437 h2.8
  text "t" at 88.305,83.437 h2.8
  text "o" at 89.106,83.437 h2.8
  text "t" at 90.868,83.437 h2.8
  text "h" at 91.669,83.437 h2.8
  text "e" at 92.951,83.437 h2.8
  text "b" at 94.713,83.437 h2.8
  text "o" at 95.994,83.437 h2.8
  text "a" at 97.276,83.437 h2.8
  text "r" at 98.397,83.437 h2.8
  text "d" at 99.198,83.437 h2.8
  text "e" at 100.96,83.437 h2.8
  text "d" at 102.242,83.437 h2.8
  text "g" at 103.523,83.437 h2.8
  text "e" at 104.644,83.437 h2.8
  text "." at 105.926,83.437 h2.8
Mechanical 8:
  lines w0.1: -5.775,11.35 -2.975,11.35 -2.975,11.85 ; -2.621,11.996 -2.975,12.35 ; -2.621,12.704 -2.975,12.35 ; -2.475,11.85 -2.475,11.35 1.975,11.35 ; -2.121,11.996 -2.475,12.35 ; -2.121,12.704 -2.475,12.35 ; 0.025,12.1 0.025,12.6 ; 0.025,12.35 -2.475,12.35 ; 3.825,8.15 4.325,8.15 ; 3.825,16.55 4.325,16.55 ; 4.325,7.65 4.325,8.15 ; 4.325,8.65 4.325,8.15 ; 4.325,16.05 4.325,16.55 ; 4.325,17.05 4.325,16.55 ; 4.825,8.15 4.325,8.15 ; 4.825,16.55 4.325,16.55 ; 9.475,12.35 9.975,12.35 ; 9.975,11.85 9.975,12.35 ; 9.975,12.85 9.975,12.35 ; 10.475,12.35 9.975,12.35 ; -2.975,12.35 -2.475,12.35 ; 0.025,7.6 0.025,8.7 8.625,8.7 8.625,7.6 0.025,7.6 ; 0.025,16 0.025,17.1 8.625,17.1 8.625,16 0.025,16 ; 9.225,11.85 10.725,11.85 10.725,12.85 9.225,12.85 9.225,11.85
  text "2.5mm" at 1.975,11.1 h1 r180
  text "3mm" at -3.075,11.075 h1 r180
Mechanical 14:
  lines w0.1: -11.475,9.75 -11.475,14.95 ; -11.375,9.65 -10.675,9.65 ; -11.375,15.05 -10.675,15.05 ; -5.458,8.35 -5.458,8.475 ; -5.458,16.35 -5.458,16.225 ; -4.092,8.35 -4.092,8.475 ; -4.092,16.35 -4.092,16.225 ; -3.575,8.35 -3.775,9.038 -3.575,9.097 ; -3.575,8.886 -3.775,9.482 -3.575,9.976 ; -3.575,10.044 -3.775,10.694 -3.575,11.444 ; -3.575,11.537 -3.775,12.35 -3.575,13.163 ; -3.575,13.256 -3.775,14.006 -3.575,14.649 ; -3.575,14.717 -3.775,15.218 -3.575,15.814 ; -3.575,15.603 -3.775,15.662 -3.575,16.35 ; -3.175,8.35 -2.975,9.038 -3.175,9.097 ; -3.175,8.886 -2.975,9.482 -3.175,9.984 ; -3.175,10.034 -2.975,10.694 -3.175,11.456 ; -3.175,11.525 -2.975,12.35 -3.175,13.167 ; -3.175,13.236 -2.975,14.006 -3.175,14.66 ; -3.175,14.71 -2.975,15.218 -3.175,15.765 ; -3.175,15.603 -2.975,15.662 -3.175,16.35 ; -1.717,10.934 -9.875,10.934 -10.317,11.076 cw(c-7.537,12.35) -10.317,13.624 -9.875,13.766 -1.717,13.766 ; -0.475,9.65 -1.475,9.65 ; -0.475,10.816 0.025,10.816 ; -0.475,13.884 0.025,13.884 ; -0.475,15.05 -1.475,15.05 ; 0.025,8.85 1.025,8.85 ; 0.025,9.175 -0.475,9.175 -0.475,15.525 0.025,15.525 ; 0.025,9.522 8.625,9.522 ; 0.025,15.178 8.625,15.178 ; 0.025,15.85 1.025,15.85 ; 2.025,8.85 3.025,8.85 ; 2.025,15.85 3.025,15.85 ; 4.025,8.85 4.625,8.85 ; 4.025,15.85 4.625,15.85 ; 5.625,8.85 6.625,8.85 ; 5.625,15.85 6.625,15.85 ; 7.625,8.85 8.625,8.85 ; 7.625,15.85 8.625,15.85 ; 8.625,11.85 10.625,11.85 10.625,12.85 8.625,12.85 ; -10.675,9.65 -10.675,15.05 ; -10.675,9.65 -10.317,9.292 ; -10.675,15.05 -10.317,15.408 ; -10.317,9.292 -9.875,9.23 ; -10.317,9.292 -10.317,15.408 ; -10.317,15.408 -9.875,15.47 ; -9.875,9.23 -9.875,15.47 ; -9.875,9.23 -1.717,9.23 ; -9.875,15.47 -1.717,15.47 ; -5.458,8.475 cw(c-0.064,10.35) -5.458,12.225 ; -5.458,8.475 -4.092,8.475 ; -5.458,12.225 -5.458,12.475 ; -5.458,12.225 -4.092,12.225 ; -5.458,12.475 cw(c-0.064,14.35) -5.458,16.225 ; -5.458,12.475 -4.092,12.475 ; -5.458,16.225 -4.092,16.225 ; -4.092,8.475 ccw(c-9.486,10.35) -4.092,12.225 ; -4.092,12.225 -4.092,12.475 ; -4.092,12.475 ccw(c-9.486,14.35) -4.092,16.225 ; -1.717,9.23 -1.475,9.65 ; -1.717,9.23 -1.717,15.47 ; -1.717,15.47 -1.475,15.05 ; -1.475,9.65 -1.475,15.05 ; -5.775,8.35 -5.775,16.35 -3.775,16.35 -3.775,8.35 -5.775,8.35 ; -3.575,7.6 -3.575,17.1 -3.175,17.1 -3.175,7.6 -3.575,7.6 ; 0.025,7.85 8.625,7.85 8.625,16.85 0.025,16.85 0.025,7.85
Drill Drawing:
  circle w0.254: c2.656,-15.445 r0.847
  lines w0.254: 1.809,-31.108 2.233,-31.108 2.656,-31.531 3.079,-31.108 3.503,-31.108 3.079,-30.685 3.503,-30.262 3.079,-30.262 2.656,-29.838 2.233,-30.262 1.809,-30.262 2.233,-30.685 1.809,-31.108 ; 1.809,-26.028 3.503,-26.028 2.656,-27.721 1.809,-26.028 ; 1.809,-23.911 3.503,-23.911 3.503,-22.218 1.809,-22.218 1.809,-23.911 ; 1.809,-20.101 2.656,-19.678 3.503,-20.101 3.079,-19.255 3.503,-18.408 2.656,-18.832 1.809,-18.408 2.233,-19.255 1.809,-20.101 ; 1.809,-12.481 1.809,-12.058 2.233,-11.635 1.809,-11.212 1.809,-10.788 2.233,-10.788 2.656,-11.212 3.079,-10.788 3.503,-10.788 3.503,-11.212 3.079,-11.635 3.503,-12.058 3.503,-12.481 3.079,-12.481 2.656,-12.058 2.233,-12.481 1.809,-12.481 ; 1.809,-8.248 2.233,-8.248 2.233,-8.671 3.079,-8.671 3.079,-8.248 3.503,-8.248 3.503,-7.402 3.079,-7.402 3.079,-6.978 2.233,-6.978 2.233,-7.402 1.809,-7.402 1.809,-8.248
  lines w0.381: 0.29,-32.674 264.479,-32.674 ; 0.29,-6.004 264.479,-6.004 ; 14.283,-36.484 14.283,-2.194 ; 30.788,-36.484 30.788,-2.194 ; 59.228,-36.484 59.228,-2.194 ; 72.077,-36.484 72.077,-2.194 ; 90.716,-36.484 90.716,-2.194 ; 120.933,-36.484 120.933,-2.194 ; 135.915,-36.484 135.915,-2.194 ; 154.858,-36.484 154.858,-2.194 ; 173.903,-36.484 173.903,-2.194 ; 195.589,-36.484 195.589,-2.194 ; 229.462,-36.484 229.462,-2.194 ; 0.29,-36.484 264.479,-36.484 264.479,-2.194 0.29,-2.194 0.29,-36.484
  text "Symbol" at 2.576,-4.861 h1.83
  text "Count" at 15.426,-4.861 h1.83
  text "Hole Size" at 31.931,-4.861 h1.83
  text "Plated" at 60.371,-4.861 h1.83
  text "Hole Type" at 73.22,-4.861 h1.83
  text "Drill Layer Pair" at 91.859,-4.861 h1.83
  text "Via/Pad" at 122.076,-4.861 h1.83
  text "Pad Shape" at 137.058,-4.861 h1.83
  text "Template" at 156.001,-4.861 h1.83
  text "Description" at 175.046,-4.861 h1.83
  text "Hole Tolerance (+)" at 196.732,-4.861 h1.83
  text "Hole Tolerance (-)" at 230.605,-4.861 h1.83
  text "2" at 15.426,-8.671 h1.52
  text "1,650mm (64,96mil)" at 31.931,-8.671 h1.52
  text "PTH" at 60.371,-8.671 h1.52
  text "Round" at 73.22,-8.671 h1.52
  text "Top - Bottom" at 91.859,-8.671 h1.52
  text "Pad" at 122.076,-8.671 h1.52
  text "Rounded" at 137.058,-8.671 h1.52
  text "c225h165" at 156.001,-8.671 h1.52
  text "2" at 15.426,-12.481 h1.52
  text "2,250mm (88,58mil)" at 31.931,-12.481 h1.52
  text "PTH" at 60.371,-12.481 h1.52
  text "Round" at 73.22,-12.481 h1.52
  text "Top - Bottom" at 91.859,-12.481 h1.52
  text "Pad" at 122.076,-12.481 h1.52
  text "Rounded" at 137.058,-12.481 h1.52
  text "c440h225" at 156.001,-12.481 h1.52
  text "4" at 15.426,-16.291 h1.52
  text "1,000mm (39,37mil)" at 31.931,-16.291 h1.52
  text "PTH" at 60.371,-16.291 h1.52
  text "Round" at 73.22,-16.291 h1.52
  text "Top - Bottom" at 91.859,-16.291 h1.52
  text "Pad" at 122.076,-16.291 h1.52
  text "(Mixed)" at 137.058,-16.291 h1.52
  text "(Mixed)" at 156.001,-16.291 h1.52
  text "8" at 15.426,-20.101 h1.52
  text "1,300mm (51,18mil)" at 31.931,-20.101 h1.52
  text "PTH" at 60.371,-20.101 h1.52
  text "Round" at 73.22,-20.101 h1.52
  text "Top - Bottom" at 91.859,-20.101 h1.52
  text "Pad" at 122.076,-20.101 h1.52
  text "Rounded" at 137.058,-20.101 h1.52
  text "c200h130" at 156.001,-20.101 h1.52
  text "13" at 15.426,-23.911 h1.52
  text "2,400mm (94,49mil)" at 31.931,-23.911 h1.52
  text "PTH" at 60.371,-23.911 h1.52
  text "Round" at 73.22,-23.911 h1.52
  text "Top - Bottom" at 91.859,-23.911 h1.52
  text "Pad" at 122.076,-23.911 h1.52
  text "Rounded" at 137.058,-23.911 h1.52
  text "c350h240" at 156.001,-23.911 h1.52
  text "14" at 15.426,-27.721 h1.52
  text "0,300mm (11,81mil)" at 31.931,-27.721 h1.52
  text "PTH" at 60.371,-27.721 h1.52
  text "Round" at 73.22,-27.721 h1.52
  text "Top - Bottom" at 91.859,-27.721 h1.52
  text "Via" at 122.076,-27.721 h1.52
  text "Rounded" at 137.058,-27.721 h1.52
  text "v60h30m0mx0" at 156.001,-27.721 h1.52
  text "1357" at 15.426,-31.531 h1.52
  text "0,200mm (7,87mil)" at 31.931,-31.531 h1.52
  text "PTH" at 60.371,-31.531 h1.52
  text "Round" at 73.22,-31.531 h1.52
  text "Top - Bottom" at 91.859,-31.531 h1.52
  text "Via" at 122.076,-31.531 h1.52
  text "Rounded" at 137.058,-31.531 h1.52
  text "(Mixed)" at 156.001,-31.531 h1.52
  text "1400 Total" at 15.426,-35.341 h1.52
Mechanical 34:
  lines w0.1: 55.05,57.125 ccw(c58.55,57.125) 58.55,53.625 ; 55.05,57.125 55.05,69.125 0.05,69.125 0.05,0.125 55.05,0.125 55.05,11.125 cw(c58.55,11.125) 58.55,14.625 81.55,14.625 ccw(c81.55,17.125) 84.05,17.125 84.05,51.125 ccw(c81.55,51.125) 81.55,53.625 58.525,53.625 ; 55.5,57.284 55.5,69.125 139.1,69.125 139.1,0.125 55.475,0.125 55.475,10.5 cw(c59.05,10.5) 59.05,14.075 81.6,14.075 ccw(c81.6,16.975) 84.5,16.975 84.5,51.025 ; 55.5,57.384 ccw(c58.708,57.384) 58.708,54.175 81.45,54.175 cw(c81.45,51.125) 84.5,51.125 ; 77.799,69.075 77.799,69.075
Mechanical 35:
  drawing of 275 lines, arcs and shapes, not listed
Mechanical 37:
  drawing of 171 lines, arcs and shapes, not listed

## Dimensions
84.05,51.125 to 0.05,69.126 on Mechanical 1
0.05,69.125 to 55.05,69.125 on Mechanical 1
0.05,0.125 to 0.05,69.125 on Mechanical 1

## Text inside footprints (layer, text, board x,y; h text height)
FL1: Drill Drawing "Filled and" at 16.148,12.152 h0.5 r180; Drill Drawing "capped via" at 16.198,12.902 h0.5 r180
FL2: Drill Drawing "Filled and" at 26.125,12.152 h0.5 r180; Drill Drawing "capped via" at 26.175,12.902 h0.5 r180
FL5: Drill Drawing "Filled and" at 33.319,62.363 h0.5 r315; Drill Drawing "capped via" at 32.754,61.869 h0.5 r315
FL6: Drill Drawing "Filled and" at 11.383,57.736 h0.5 r40; Drill Drawing "capped via" at 11.827,57.129 h0.5 r40
IC2: Mechanical 14 "9" at 14.407,21.183 h0.4 r180; Mechanical 14 "1" at 24.567,21.183 h0.4 r180; Mechanical 14 "2" at 23.297,21.183 h0.4 r180; Mechanical 14 "3" at 22.027,21.183 h0.4 r180; Mechanical 14 "4" at 20.757,21.183 h0.4 r180; Mechanical 14 "5" at 19.487,21.183 h0.4 r180; Mechanical 14 "6" at 18.217,21.183 h0.4 r180; Mechanical 14 "7" at 16.947,21.183 h0.4 r180; Mechanical 14 "8" at 15.677,21.183 h0.4 r180; Mechanical 14 "10" at 13.137,21.183 h0.4 r180; Mechanical 14 "11" at 11.867,21.183 h0.4 r180; Mechanical 14 "F" at 26.256,29.222 h0.4 r180; Mechanical 14 "E" at 26.256,27.952 h0.4 r180; Mechanical 14 "D" at 26.256,26.682 h0.4 r180; Mechanical 14 "G" at 26.256,30.492 h0.4 r180; Mechanical 14 "C" at 26.256,25.412 h0.4 r180; Mechanical 14 "B" at 26.256,24.142 h0.4 r180; Mechanical 14 "A" at 26.256,22.872 h0.4 r180; Mechanical 14 "H" at 26.256,31.762 h0.4 r180; Mechanical 14 "I" at 26.181,33.032 h0.4 r180; Mechanical 14 "J" at 26.31,34.327 h0.4 r180; Mechanical 14 "K" at 26.31,35.597 h0.4 r180
IC3_BUCK_3V8: Mechanical 14 "1" at 52.624,33.33 h0.5 r180; Mechanical 14 "2" at 52.624,33.98 h0.5 r180; Mechanical 14 "3" at 52.624,34.63 h0.5 r180; Mechanical 14 "4" at 52.624,35.28 h0.5 r180; Mechanical 14 "5" at 52.624,35.93 h0.5 r180; Mechanical 14 "A" at 53.824,31.88 h0.5 r90; Mechanical 14 "B" at 54.474,31.88 h0.5 r90; Mechanical 14 "C" at 55.124,31.88 h0.5 r90; Mechanical 14 "D" at 55.774,31.88 h0.5 r90; Mechanical 14 "E" at 56.424,31.88 h0.5 r90
IC3_BUCK_5V5: Mechanical 14 "1" at 49.752,48.123 h0.5; Mechanical 14 "2" at 49.752,47.473 h0.5; Mechanical 14 "3" at 49.752,46.823 h0.5; Mechanical 14 "4" at 49.752,46.173 h0.5; Mechanical 14 "5" at 49.752,45.523 h0.5; Mechanical 14 "A" at 48.552,49.573 h0.5 r270; Mechanical 14 "B" at 47.902,49.573 h0.5 r270; Mechanical 14 "C" at 47.252,49.573 h0.5 r270; Mechanical 14 "D" at 46.602,49.573 h0.5 r270; Mechanical 14 "E" at 45.952,49.573 h0.5 r270
IC13: Mechanical 14 "E" at 56.473,23.89 h0.5 r90; Mechanical 14 "D" at 55.823,23.89 h0.5 r90; Mechanical 14 "C" at 55.173,23.89 h0.5 r90; Mechanical 14 "B" at 54.523,23.89 h0.5 r90; Mechanical 14 "A" at 53.873,23.89 h0.5 r90; Mechanical 14 "5" at 52.673,27.94 h0.5 r180; Mechanical 14 "4" at 52.673,27.29 h0.5 r180; Mechanical 14 "3" at 52.673,26.64 h0.5 r180; Mechanical 14 "2" at 52.673,25.99 h0.5 r180; Mechanical 14 "1" at 52.673,25.34 h0.5 r180
IC24: Mechanical 14 "1" at 27.925,33.803 h0.5 r180; Mechanical 14 "2" at 27.925,34.453 h0.5 r180; Mechanical 14 "3" at 27.925,35.103 h0.5 r180; Mechanical 14 "4" at 27.925,35.753 h0.5 r180; Mechanical 14 "5" at 27.925,36.403 h0.5 r180; Mechanical 14 "A" at 29.125,32.353 h0.5 r90; Mechanical 14 "B" at 29.775,32.353 h0.5 r90; Mechanical 14 "C" at 30.425,32.353 h0.5 r90; Mechanical 14 "D" at 31.075,32.353 h0.5 r90; Mechanical 14 "E" at 31.725,32.353 h0.5 r90
IC25: Mechanical 14 "1" at 28.7,25.975 h0.5 r180; Mechanical 14 "2" at 28.7,26.625 h0.5 r180; Mechanical 14 "3" at 28.7,27.275 h0.5 r180; Mechanical 14 "4" at 28.7,27.925 h0.5 r180; Mechanical 14 "5" at 28.7,28.575 h0.5 r180; Mechanical 14 "A" at 29.9,24.525 h0.5 r90; Mechanical 14 "B" at 30.55,24.525 h0.5 r90; Mechanical 14 "C" at 31.2,24.525 h0.5 r90; Mechanical 14 "D" at 31.85,24.525 h0.5 r90; Mechanical 14 "E" at 32.5,24.525 h0.5 r90
J1: Drill Drawing "r0.6" at 7.789,10.117 h1 r180; Drill Drawing "8.6" at 5.563,13.959 h1 r180; Drill Drawing "7.1" at 2.436,12.594 h1 r270; Mechanical 8 "2.5mm" at 2.325,11.1 h1 r180; Mechanical 8 "3mm" at -2.725,11.075 h1 r180
J3: Drill Drawing "r0.6" at 7.814,55.617 h1 r180; Drill Drawing "8.6" at 5.588,59.459 h1 r180; Drill Drawing "7.1" at 2.461,58.094 h1 r270; Mechanical 8 "2.5mm" at 2.35,56.6 h1 r180; Mechanical 8 "3mm" at -2.7,56.575 h1 r180
J5: Top Overlay "A" at 4.4,38.5 h0.8 r90; Top Overlay "B" at 4.4,42.5 h0.8 r90